# Altium PCB CL-HC-M-V2.1.PcbDoc (part 19 of 19)
Units mil, origin at the board's own origin, x right, y up, seen from the top; angles counter-clockwise.
Board outline 27559.06 x 27559.06 mil, 2 copper layers (TopLayer, BottomLayer); 704 components, 528 nets, 2453 pads, 1851 vias.
Unrouted connection lines stored in the file: 126.
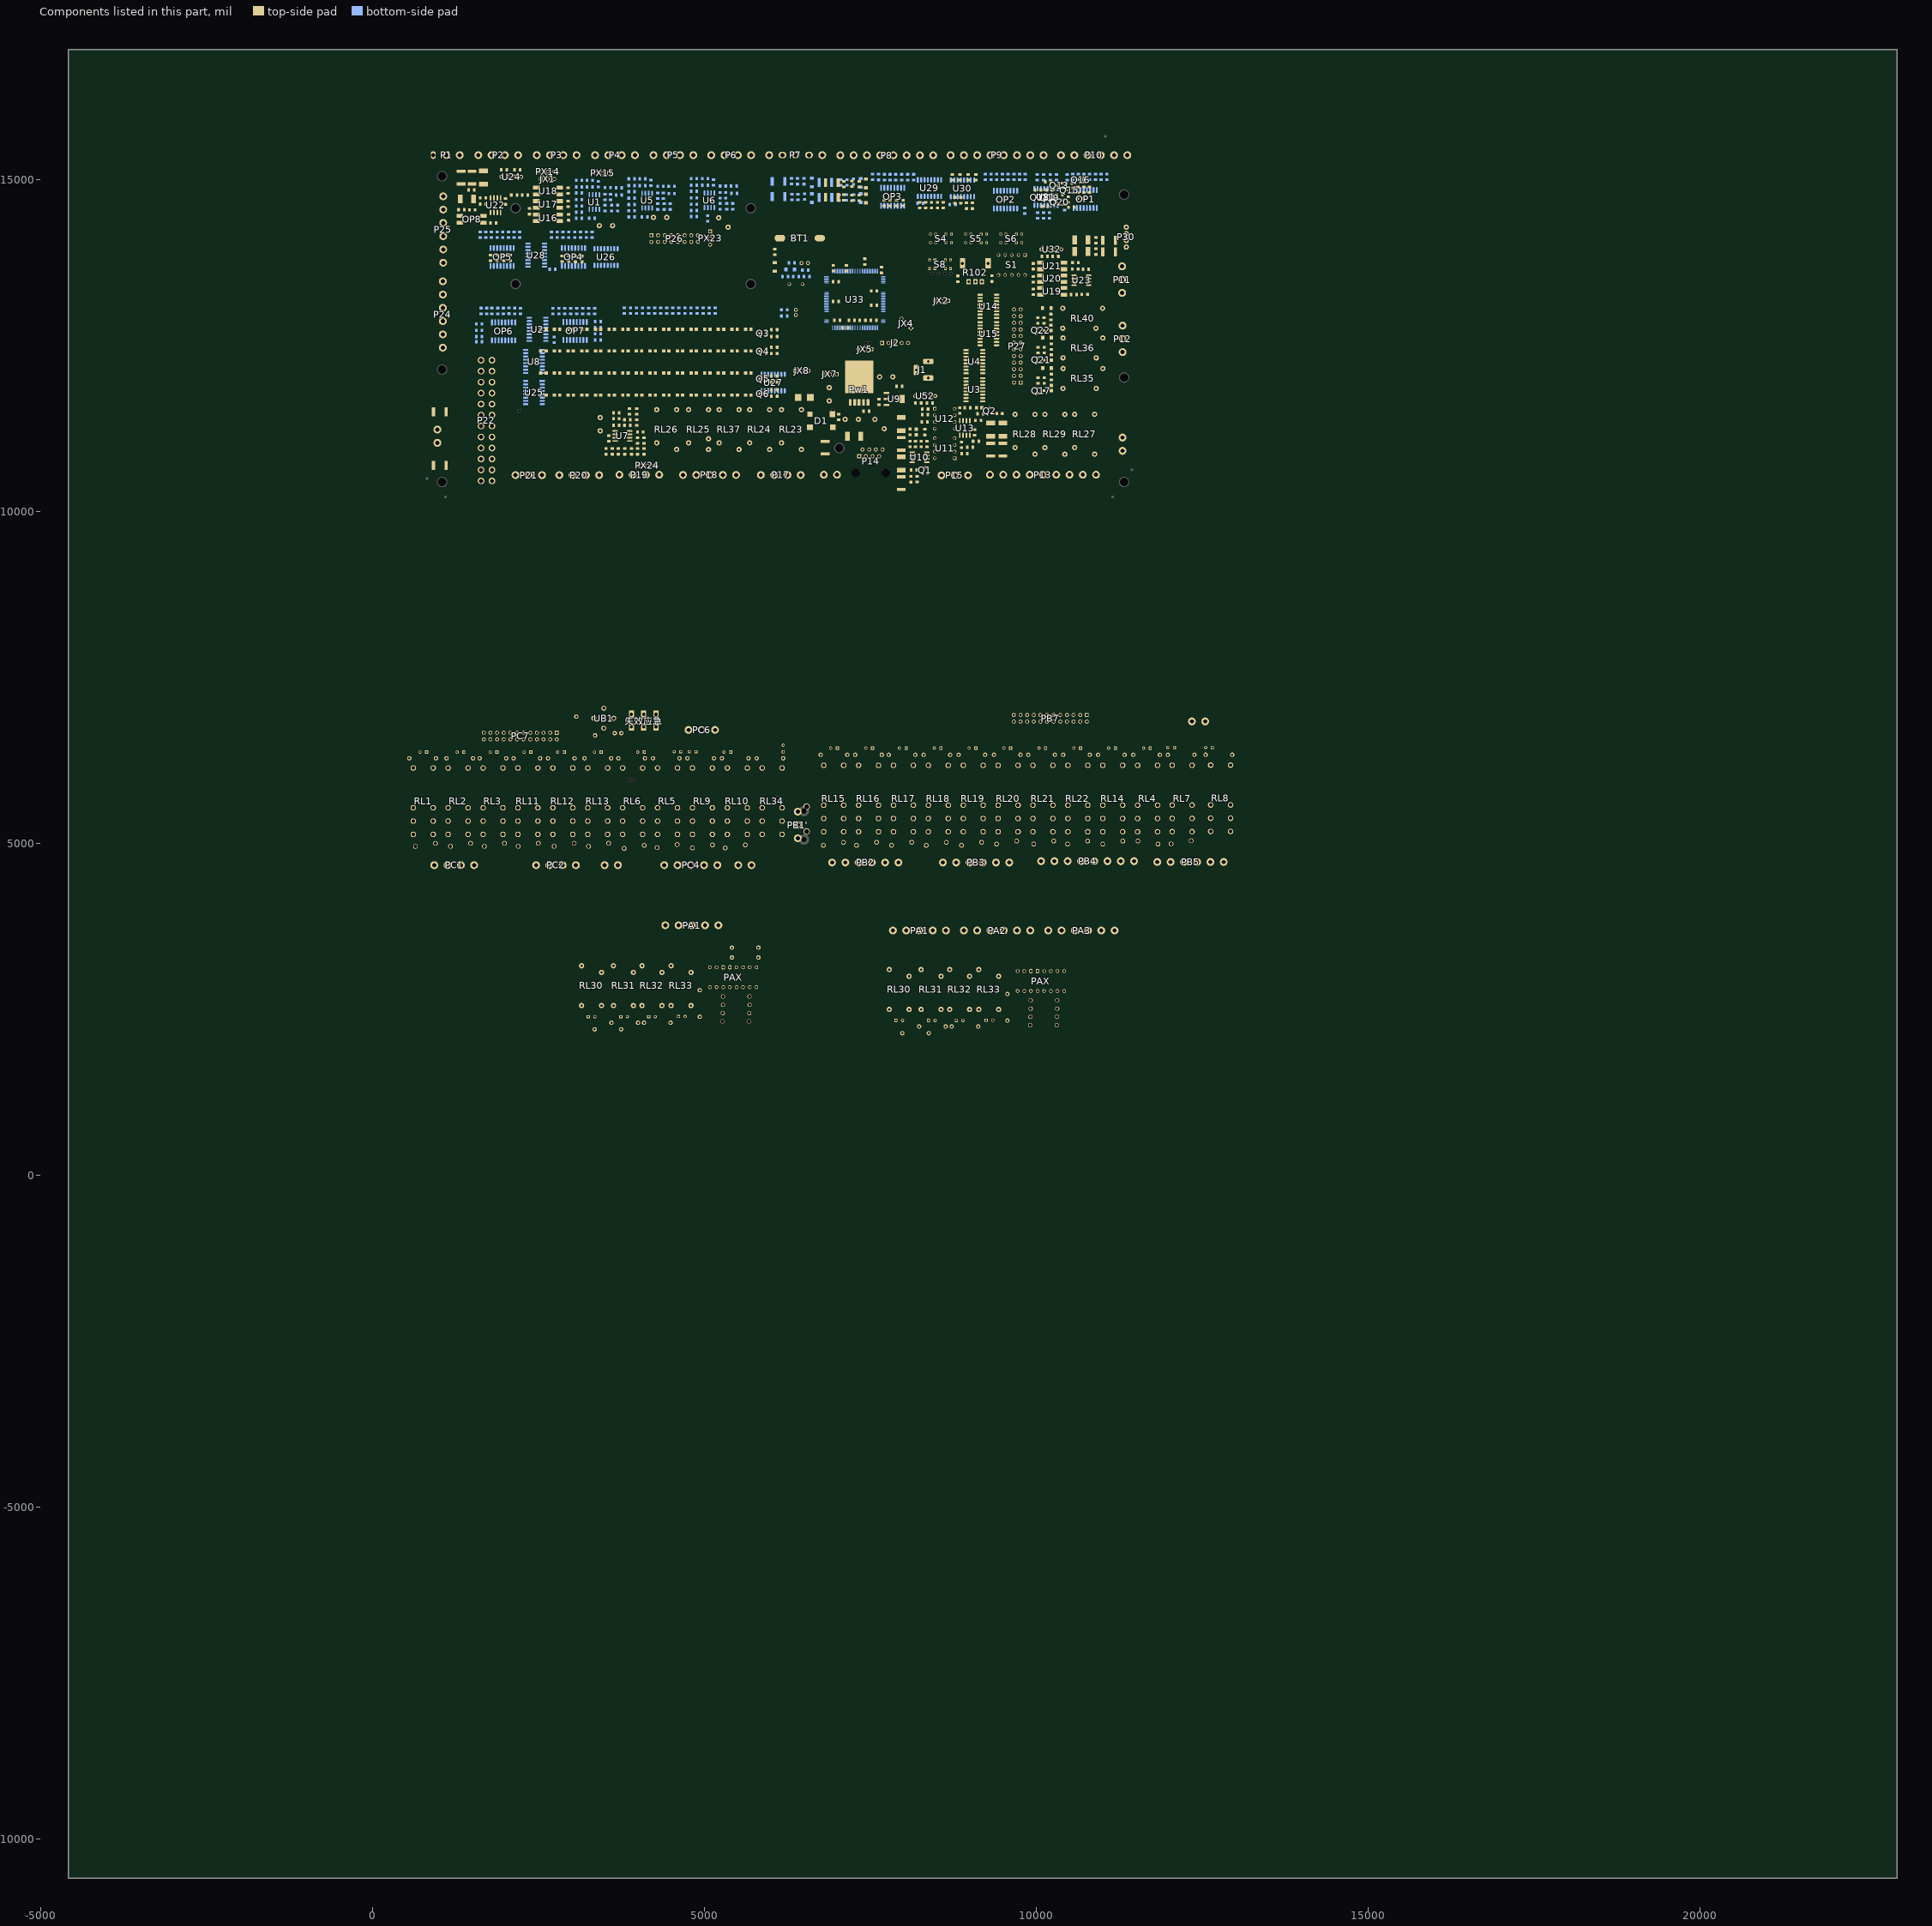
[diagram p19: the components of this part, seen from the top]

## Silkscreen, mask and mechanical layers (free items; w line width, h text height) (continued)
BottomOverlay:
  region: 11299.89,13147.43 11448.97,12967.43 11314.46,12967.43 11419.89,12807.43 11214.46,13007.43 11348.97,13007.43
  region: 10466.46,10943.04 10615.54,10763.04 10481.03,10763.04 10586.46,10603.04 10381.03,10803.04 10515.54,10803.04
  lines w8: 3216.08,14751.81 3216.08,14848.81 ; 3470.76,14808.16 3455.38,14823.54 3455.38,14976.47 3481.75,15002.84 3516.85,15002.84 ; 3599.55,14440.05 3599.55,14494.93 ; 3625.17,14673.51 3723.95,14673.51 3739.34,14658.12 3739.34,14394.68 ; 3773.73,14661.07 3841.79,14661.07 ; 3798.61,14480.31 3822.03,14503.73 ; 3800.81,14946.48 3800.81,14994.78 ; 3974.25,14688.88 4008.65,14654.48 4008.65,14643.5 ; 3976.45,14852.81 4002.79,14852.81 4007.18,14848.41 4007.18,14825.73 ; 3998.04,15130.9 3998.04,15062.86 3986.69,15051.51 3986.69,14965.12 4000.22,14951.59 ; 4261.13,14830.85 4249.41,14842.57 4249.41,14973.55 4249.41,14992.57 4310.17,15053.33 4315.45,15053.33 ; 4377.65,14386.8 4377.65,14520.07 ; 4417.72,14689.61 4548,14689.61 4565.55,14672.06 4565.55,14642.03
  lines w10: 5204.81,14836.34 5188.71,14852.44 5188.71,14999.54 5225.67,15036.49
  lines w15: 9975.97,10312.18 9975.97,11263.15 10609.14,11263.15 10609.14,13145.41 11473.89,13145.41 11473.89,10312.18 9975.97,10312.18
  text "管温" at 7641.08,15531.15 h118.11
  text "缺风" at 10526.9,15531.15 h118.11
  text "防冻" at 7228.82,15530.81 h118.11
  text "预高温" at 8053.22,15530.23 h118.11
  text "电高温" at 8465.6,15530.23 h118.11
  text "高效" at 8877.86,15530.23 h118.11
  text "亚高效" at 9290,15530.23 h118.11
  text "中效" at 9702.26,15530.92 h118.11
  text "初效" at 10114.52,15530.92 h118.11
  text "消防" at 10939.04,15530.81 h118.11
  text "急停" at 11351.41,15530.57 h118.11
  text "Tx Rx G0" at 2767.72,14881.95 h80
  text "com2" at 2752.14,14803.42 h120
  text "!!!Warning High Voltage!!!" at 10793.92,13078.89 h250 r90
  text "(220V)" at 11301.42,13041.92 h118.11
  text "排风机#1" at 9562.91,13021.25 h118.11
  text "排风机#3" at 10201.68,13021.25 h118.11
  text "!!区域内高压 切勿触碰!!!" at 11222.59,12968.02 h300 r90
  text "排风机#5" at 9562.91,12921.25 h118.11
  text "排风机#2" at 10202.35,12921.25 h118.11
  text "排风机#6" at 9562.91,12821.25 h118.11
  text "电加热#2" at 10197.85,12821.25 h118.11
  text "保温" at 9562.91,12721.25 h118.11
  text "GND" at 10030.49,12721.25 h118.11
  text "杀菌灯" at 9562.91,12621.25 h118.11
  text "24V" at 9991.82,12621.25 h118.11
  text "负压" at 9562.91,12521.25 h118.11
  text "排风机#1" at 10202.91,12521.25 h118.11
  text "电柜扇" at 9562.91,12421.25 h118.11
  text "散热扇" at 10091.52,12421.25 h118.11
  text "预热#1" at 9562.91,12321.25 h118.11
  text "星三角" at 10089.61,12321.25 h118.11
  text "预热#2" at 9562.91,12221.25 h118.11
  text "定频" at 10009.13,12221.25 h118.11
  text "预热#3" at 9562.91,12121.25 h118.11
  text "变频" at 10008.8,12121.25 h118.11
  text "电加热#1" at 9562.91,12021.25 h118.11
  text "定量阀" at 10093.43,12021.25 h118.11
  text "密闭阀" at 9562.91,11921.25 h118.11
  text "电加热#3" at 10197.18,11921.25 h118.11
  text "(220V)" at 10394.8,10706.37 h118.11
BottomSolder:
  drawing of 152 lines, arcs and shapes, not listed
Mechanical1:
  circle w10: c7673.73,3382.03 r66.93
  circle w10: c11217.04,3382.03 r66.93
  circle w10: c7673.73,2240.29 r66.93
  circle w10: c11217.04,2240.29 r66.93
  circle w10: c11217.04,350.53 r66.93
  circle w10: c7673.73,350.53 r66.93
  circle w10: c11217.04,1492.26 r66.93
  circle w10: c7673.73,1492.26 r66.93
  circle w10: c6042.62,4207.1 r66.93
  circle w10: c6121.36,6884.27 r66.93
  circle w10: c688.29,6884.27 r66.93
  circle w10: c688.29,4207.1 r66.93
  circle w10: c12938.29,6882.3 r66.93
  circle w10: c12938.29,4205.13 r66.93
  circle w10: c8260.16,4730.17 r66.93
  circle w10: c6442.22,4205.13 r66.93
  circle w10: c6442.22,6882.3 r66.93
  circle w10: c3038.06,3439.43 r66.93
  circle w10: c6581.36,3439.43 r66.93
  circle w10: c3038.06,2297.69 r66.93
  circle w10: c6581.36,2297.69 r66.93
  circle w10: c6581.36,407.93 r66.93
  circle w10: c3038.06,407.93 r66.93
  circle w10: c6581.36,1549.66 r66.93
  circle w10: c3038.06,1549.66 r66.93
  lines w5: 750.6,10287.21 ccw(c888.4,10287.21) 888.4,10149.42 ; 750.6,15602.17 cw(c888.4,15602.17) 888.4,15739.97 ; 11360.84,10149.42 ccw(c11360.84,10287.21) 11498.63,10287.21 ; 11360.84,15739.97 cw(c11360.84,15602.17) 11498.63,15602.17
  lines w10: 452.07,4187.42 ccw(c589.86,4187.42) 589.86,4049.62 ; 452.07,6982.69 cw(c589.86,6982.69) 589.86,7120.49 ; 2919.95,309.5 ccw(c3057.74,309.5) 3057.74,171.71 ; 2919.95,1923.68 cw(c3057.74,1923.68) 3057.74,2061.47 cw(c3057.74,2199.27) 2919.95,2199.27 ; 2919.95,3813.44 cw(c3057.74,3813.44) 3057.74,3951.24 ; 6141.04,4049.62 ccw(c6141.04,4187.42) 6278.84,4187.42 ccw(c6416.63,4187.42) 6416.63,4049.62 ; 6141.04,7120.49 cw(c6141.04,6982.69) 6278.84,6982.69 cw(c6416.63,6982.69) 6416.63,7120.49 ; 6561.68,171.71 ccw(c6561.68,309.5) 6699.47,309.5 ; 6561.68,3951.24 cw(c6561.68,3813.44) 6699.47,3813.44 ; 6699.47,1923.68 ccw(c6561.68,1923.68) 6561.68,2061.47 ccw(c6561.68,2199.27) 6699.47,2199.27 ; 7555.62,252.1 ccw(c7693.42,252.1) 7693.42,114.31 ; 7555.62,1866.28 cw(c7693.42,1866.28) 7693.42,2004.07 cw(c7693.42,2141.87) 7555.62,2141.87 ; 7555.62,3756.04 cw(c7693.42,3756.04) 7693.42,3893.84 ; 11197.35,114.31 ccw(c11197.35,252.1) 11335.15,252.1 ; 11197.35,3893.84 cw(c11197.35,3756.04) 11335.15,3756.04 ; 11335.15,1866.28 ccw(c11197.35,1866.28) 11197.35,2004.07 ccw(c11197.35,2141.87) 11335.15,2141.87 ; 12912.7,4049.62 ccw(c12912.7,4187.42) 13050.49,4187.42 ; 12912.7,7120.49 cw(c12912.7,6982.69) 13050.49,6982.69 ; 2919.95,2061.47 2919.95,3951.24 6699.47,3951.24 6699.47,2061.47 ; 2919.95,2061.47 6699.47,2061.47 ; 2919.95,2061.47 2919.95,171.71 6699.47,171.71 6699.47,2061.47 ; 2919.95,2061.47 6699.47,2061.47 ; 6278.84,4049.62 6278.84,7120.49 ; 6278.84,4049.62 452.07,4049.62 452.07,7120.49 6278.84,7120.49 ; 6278.84,4049.62 6278.84,7120.49 ; 6278.84,4049.62 13050.49,4049.62 13050.49,7120.49 6278.84,7120.49 ; 7555.62,2004.07 7555.62,3893.84 11335.15,3893.84 11335.15,2004.07 ; 7555.62,2004.07 11335.15,2004.07 ; 7555.62,2004.07 7555.62,114.31 11335.15,114.31 11335.15,2004.07 ; 7555.62,2004.07 11335.15,2004.07 ; 750.6,10149.42 750.6,15739.97 11498.63,15739.97 11498.63,10149.42 750.6,10149.42
  text "PCB名称: CL-HC-M-V2.1" at 11753.66,11453.37 h120
  text "尺寸： 27.3CM*14.2CM" at 11753.78,11315.46 h120
  text "板材：  FR4" at 11753.78,11176.53 h120
  text "板子层数：  2" at 11753.78,11038.39 h120
  text "板子厚度：  1.6" at 11753.78,10899.23 h120
  text "阻焊颜色：  蓝色" at 11753.66,10760.98 h120
  text "铜箔厚度：  h/hoz" at 11753.66,10621.82 h120
  text "阻焊覆盖：  过孔盖油" at 11753.66,10483 h120
  text "字符颜色：  白色" at 11753.78,10344.87 h120
  text "焊盘喷镀：  有铅喷锡" at 11753.78,10205.82 h120
  text "PCB名称: CL-HC-C-V2.0" at 577.36,8476.09 h120
  text "PCB名称: CL-HC-V1.5-B" at 6443.51,8476.09 h120
  text "尺寸： 14.8CM*7.8CM" at 577.48,8338.18 h120
  text "尺寸： 17.2CM*7.8CM" at 6443.62,8338.18 h120
  text "板材：  FR4" at 577.48,8199.25 h120
  text "板材：  FR4" at 6443.62,8199.25 h120
  text "板子层数：  2" at 577.48,8061.11 h120
  text "板子层数：  2" at 6443.62,8061.11 h120
  text "板子厚度：  1.6" at 577.48,7921.95 h120
  text "板子厚度：  1.6" at 6443.62,7921.95 h120
  text "阻焊颜色：  蓝色" at 577.36,7783.7 h120
  text "阻焊颜色：  蓝色" at 6443.51,7783.7 h120
  text "铜箔厚度：  h/hoz" at 577.36,7644.54 h120
  text "铜箔厚度：  h/hoz" at 6443.51,7644.54 h120
  text "阻焊覆盖：  过孔盖油" at 577.36,7505.72 h120
  text "阻焊覆盖：  过孔盖油" at 6443.51,7505.72 h120
  text "字符颜色：  白色" at 577.48,7367.59 h120
  text "字符颜色：  白色" at 6443.62,7367.59 h120
  text "焊盘喷镀：  有铅喷锡" at 577.48,7228.54 h120
  text "焊盘喷镀：  有铅喷锡" at 6443.62,7228.54 h120
  text "PCB名称: CL-HC-A-V2.0" at 1694.07,3594.24 h120
  text "PCB名称: CL-HC-A-V2.0" at 11484.74,3586.93 h120
  text "尺寸： 9.6CM*9.6CM" at 1694.18,3456.33 h120
  text "尺寸： 9.6CM*9.6CM" at 11484.85,3449.02 h120
  text "板材：  FR4" at 1694.18,3317.4 h120
  text "板材：  FR4" at 11484.85,3310.09 h120
  text "板子层数：  2" at 1694.18,3179.27 h120
  text "板子层数：  2" at 11484.85,3171.95 h120
  text "板子厚度：  1.6" at 1694.18,3040.1 h120
  text "板子厚度：  1.6" at 11484.85,3032.79 h120
  text "阻焊颜色：  蓝色" at 1694.07,2901.86 h120
  text "阻焊颜色：  蓝色" at 11484.74,2894.54 h120
  text "铜箔厚度：  h/hoz" at 1694.07,2762.69 h120
  text "铜箔厚度：  h/hoz" at 11484.74,2755.38 h120
  text "阻焊覆盖：  过孔盖油" at 1694.07,2623.87 h120
  text "阻焊覆盖：  过孔盖油" at 11484.74,2616.56 h120
  text "字符颜色：  白色" at 1694.18,2485.74 h120
  text "字符颜色：  白色" at 11484.85,2478.43 h120
  text "焊盘喷镀：  有铅喷锡" at 1694.18,2346.69 h120
  text "焊盘喷镀：  有铅喷锡" at 11484.85,2339.38 h120
Mechanical15:
  lines w4: 2037.32,13270.64 2037.32,15042.29 5816.85,15042.29 5816.85,13270.64 2037.32,13270.64
DrillDrawing:
  text ".legend" at 19403.66,13999.22 h80
  text ".legend" at 13432.7,1313.99 h80

## Text inside footprints (layer, text, board x,y; h text height)
C45: TopOverlay "+" at 6822.38,11646.61 h60 r90
C46: TopOverlay "+" at 7598.02,11444.93 h60 r315
C49: TopOverlay "+" at 7858.56,11990.17 h60 r180
C85: TopOverlay "+" at 5231.51,14467.86 h60 r315
C86: TopOverlay "+" at 3399.33,14346.03 h60
C87: TopOverlay "+" at 4214.27,14471.26 h60
C88: TopOverlay "+" at 3391.15,11198.87 h60 r90
LX1: TopOverlay "+" at 3583.54,6601.91 h60 r270
S4: TopOverlay "3" at 8626.46,14224.24 h59.06; TopOverlay "2" at 8545.2,14223.62 h59.06; TopOverlay "1" at 8468.21,14225.46 h59.06
S5: TopOverlay "1" at 8998.21,14225.46 h59.06; TopOverlay "2" at 9075.2,14223.62 h59.06; TopOverlay "3" at 9156.46,14224.24 h59.06
S6: TopOverlay "3" at 9686.46,14224.24 h59.06; TopOverlay "2" at 9605.2,14223.62 h59.06; TopOverlay "1" at 9528.21,14225.46 h59.06
S8: TopOverlay "1" at 8458.21,13835.46 h59.06; TopOverlay "2" at 8535.2,13833.62 h59.06; TopOverlay "3" at 8616.46,13834.23 h59.06
UB1: TopOverlay "~" at 3464.9,6905.37 h60; TopOverlay "-" at 3556.46,6855 h60; TopOverlay "+" at 3376.4,6855.48 h60; TopOverlay "~" at 3464.9,6745.37 h60